# Allegro board LAY-38820_A.brd (continued)
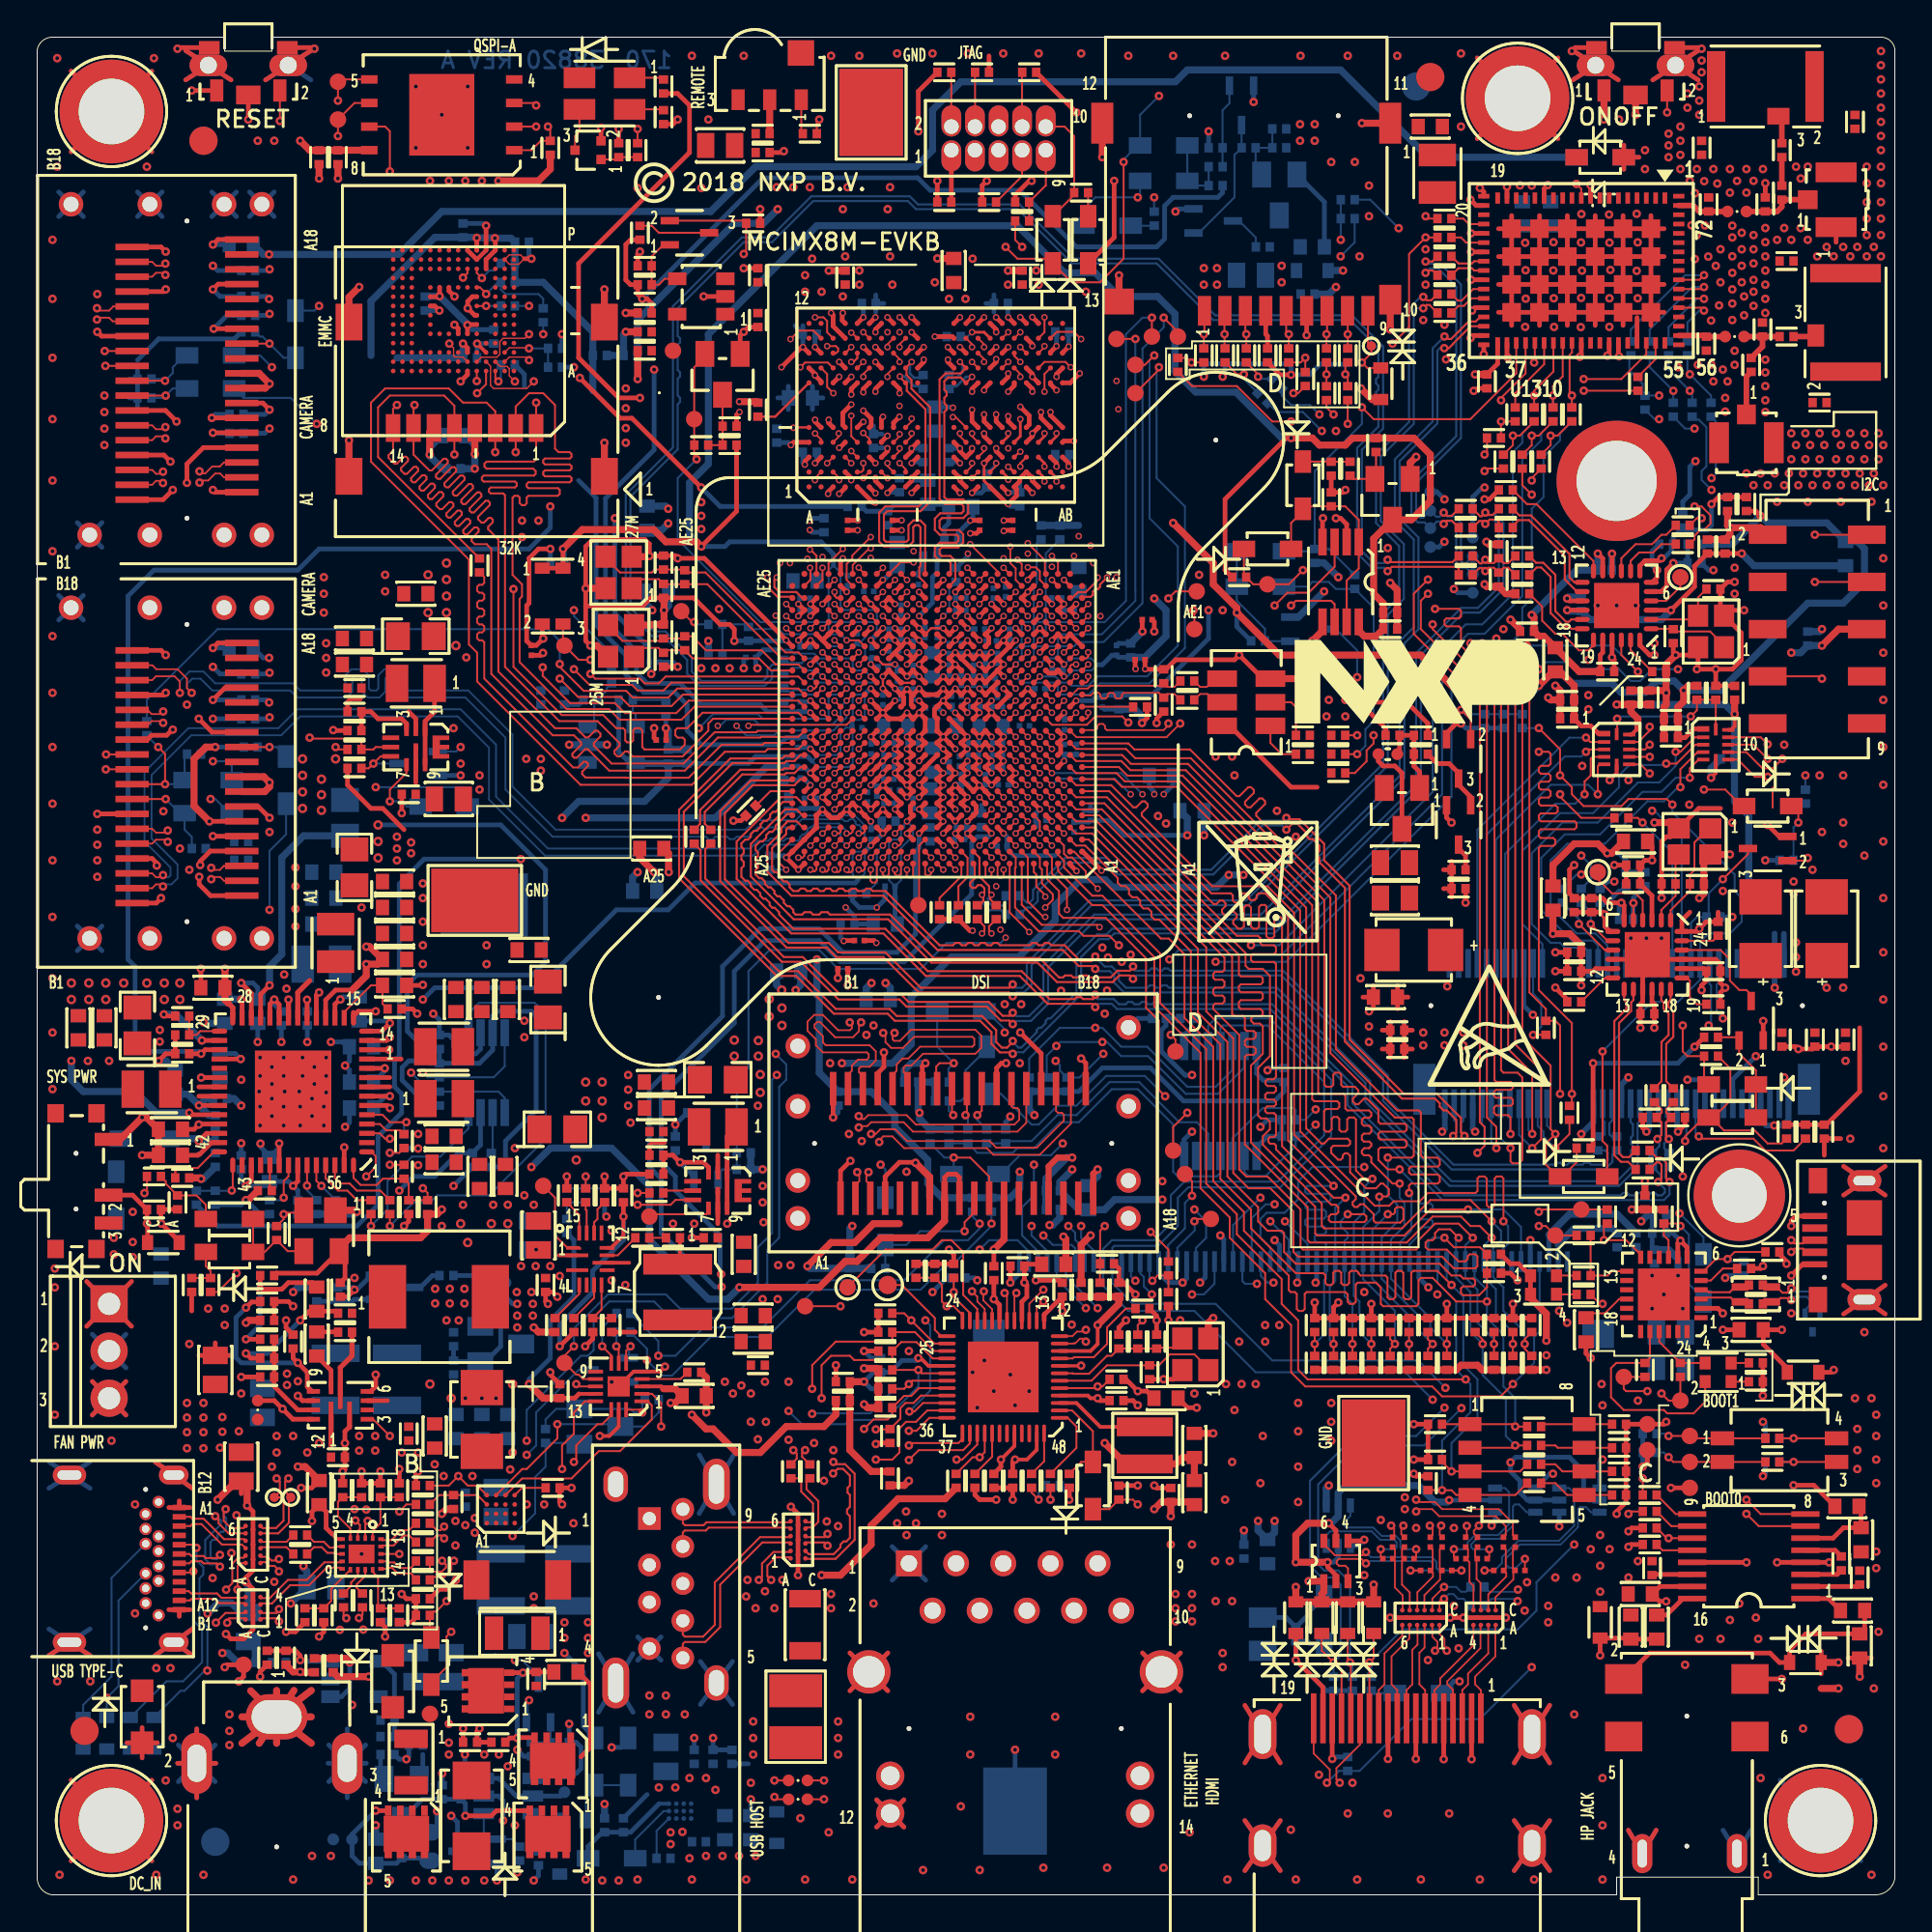
[diagram p0: board, top side]
## Nets (continued)
GND_CHASSIS: C1216.2 J1201.15 J1201.16(SH2) R1208.2
VBUS_CP210X: C1701.1 C1704.1 L1702.2 U1701.7 U1701.8
VBUS_USB_BDG: J1701.1(VBUS) L1702.1 TVS1701.2(A2)
VCC: J401.1 R405.2
VCC_3V6: C711.1 R706.1 U701.9
VCC_5V: C774.2 R732.1 U706.11
VDD_12V: J1501.A8 J1501.A9 J1502.A8 J1502.A9 J1503.A8 J1503.A9
VDD_ARM_0V9: C14.1 C23.1 C24.1 C27.1 C28.1 C118.1 C119.1 C120.1 C121.1 C122.1 C165.1 C166.1 SH709.2 U101.G14 U101.G15 U101.G16 U101.H14 U101.H15 U101.H16 U101.J15 U101.J16 U101.K15 U101.K16 U101.L15 U101.L16 U101.M15 U101.M16
VDD_CBUCK_1P5: C1309.1 L1301.1 U1301.19
VDD_DRAM_0V9: C17.1 C33.1 C34.1 C108.1 C110.1 C114.1 C115.1 C117.1 C129.1 C130.1 C131.1 C132.1 C133.1 C134.1 C135.1 C136.1 C137.1 C138.1 C171.1 C172.1 SH704.2 U101.U10 U101.U11 U101.U12 U101.U13 U101.U14 U101.V9 U101.V10 U101.V11 U101.V12 U101.V13 U101.V14 U101.V15 U101.Y6 U101.Y8 U101.Y10 U101.Y16 U101.Y18 U101.Y20
VDD_GPU_0V9: C16.1 C21.1 C22.1 C31.1 C32.1 C126.1 C127.1 C128.1 C169.1 C170.1 SH701.2 U101.J9 U101.J10 U101.K9 U101.K10 U101.L9 U101.L10 U101.M9 U101.M10
VDD_PHY_0V9: C5.1 C7.1 C10.1 C12.1 C179.1 C180.1 C182.1 C183.1 C185.1 C186.1 C188.1 C189.1 C190.1 C749.1 L101.2 U101.C11 U101.C12 U101.D11 U101.D12 U101.E11 U101.E12 U101.E17 U101.E18 U101.F17 U101.F18 U101.F19 U101.F22 U101.F23 U101.G22 U101.G23 U101.U3 U101.U4 U101.V3 U702.18
VDD_PHY_1V8: C9.1 C11.1 C184.1 C187.1 C751.1 Q1001.2 Q1001.5 Q1002.2 Q1002.5 Q1003.2 Q1003.5 Q1004.2 Q1004.5 U101.C18 U101.D17 U101.D18 U101.P2 U702.26
VDD_PHY_3V3: C4.1 C6.1 C8.1 C178.1 C181.1 C757.1 U101.F11 U101.F12 U101.G11 U101.G12 U101.H23 U101.J23 U702.39
VDD_SNVS_0V9: C102.1 C717.1 C718.1 R757.2 R758.2 U101.R18 U703.5(OUT)
VDD_SOC_0V9: C13.1 C104.1 C105.1 C106.1 C107.1 C109.1 C111.1 C112.1 C113.1 C116.1 C144.1 C145.1 C173.1 L104.1 SH708.2 U101.K12 U101.L12 U101.L13 U101.M12 U101.M13 U101.N13 U101.P12 U101.P13 U101.P15 U101.P16 U101.R8 U101.R9 U101.R10 U101.R11 U101.R12 U101.R13 U101.R14 U101.R15 U101.R16 U101.T8 U101.T17
VDD_VPU_0V9: C15.1 C29.1 C123.1 C124.1 C125.1 C167.1 C168.1 SH702.2 U101.N8 U101.N9 U101.N10 U101.P9 U101.P10
VDDA_1V8: C147.1 C148.1 C149.1 C150.1 C151.1 C152.1 C174.1 C754.1 R715.1 U101.AA11 U101.K14 U101.N11 U101.R17 U101.T15 U101.T16 U101.U17 U101.U23 U101.W17 U101.W23 U101.W24 U702.28
ANT0: L1302.1 R1348.1 U1301.57
ANT0_OUT: L1303.1 R1302.1 R1306.1 R1348.2
ANT1: L1304.1 R1349.1 U1301.71
ANT1_OUT: J1302.1 L1305.1 R1304.1 R1349.2
AUD_NMUTE: R1108.1 U101.N7 U1101.11
BOOT_MODE0: R818.1 R846.1 SW802.2 TP1710.1(TP) U101.W6 U802.3
BOOT_MODE1: R817.1 R845.2 SW802.1 TP1711.1(TP) U101.V6 U802.6
BT_DEV_WAKE: R1441.2 U101.G21 U1301.53
BT_HOST_WAKE: R1321.1 U101.M20
BT_REG_ON: Q1405.2 R309.2 U1301.10
CC1: J901.A5 TVS902.2(A2) U907.13
CC2: J901.B5 TVS903.2(A2) U907.14
CLK1_N: R413.1 U101.T23
CLK1_P: R413.2 U101.R23
CLK2_N: C1314.1 R414.1 U101.U22
CLK2_P: C1313.1 R414.2 U101.T22
CLKO2: D1502.C D1505.C U101.J6
CLKO_25MHZ: R1225.1 U101.K7
CSI2_I2C_SCL: J1503.B11 R1527.2 U1502.4
CSI2_I2C_SDA: J1503.B10 R1526.2 U1502.5
CSI_NRST: D1506.C D1507.C U101.N5
CSI_P1_CKN: J1502.A2 U101.A22
CSI_P1_CKP: J1502.A3 U101.B22
CSI_P1_DN0: J1502.B2 U101.A23
CSI_P1_DN1: J1502.B5 U101.C22
CSI_P1_DN2: J1502.B13 U101.B24
CSI_P1_DN3: J1502.B16(TX3_P) U101.C21
CSI_P1_DP0: J1502.B3 U101.B23
CSI_P1_DP1: J1502.B6 U101.D22
CSI_P1_DP2: J1502.B14 U101.C23
CSI_P1_DP3: J1502.B17 U101.D21
CSI_P1_PWDN: D1503.C U101.P4
CSI_P2_CKN: J1503.A2 U101.A19
CSI_P2_CKP: J1503.A3 U101.B19
CSI_P2_DN0: J1503.B2 U101.C20
CSI_P2_DN1: J1503.B5 U101.A20
CSI_P2_DN2: J1503.B13 U101.A21
CSI_P2_DN3: J1503.B16(TX3_P) U101.C19
CSI_P2_DP0: J1503.B3 U101.D20
CSI_P2_DP1: J1503.B6 U101.B20
CSI_P2_DP2: J1503.B14 U101.B21
CSI_P2_DP3: J1503.B17 U101.D19
CSI_P2_PWDN: D1504.C U101.P7
DC_IN: D902.A D909.C F901.1 J902.1 TP1712.1(TP)
DCDC_3V3: C706.1 C707.1 C708.1 C709.1 C710.1 C712.2 C713.1 C715.1 C716.1 C719.1 C729.2 C736.2 C737.2 C740.2 C743.2 C746.2 C748.2 C750.2 C755.2 C758.1 C762.2 C765.2 C766.1 C775.1 C776.1 C779.1 C799.1 L701.2 Q701.2(SOURCE) R701.1 R702.1 R712.1 R755.1 R756.1 R760.1 R1622.1 U701.5(VOUT) U702.7 U702.10 U702.12 U702.17 U702.20 U702.23 U702.24 U702.27 U702.34 U702.37 U702.45 U702.50 U703.1 U705.8 U705.11(VIN2) U707.8 U707.11(VIN2)
DCDC_5V: C790.1 C791.1 C792.1 C909.1 C910.1 C916.2 C927.1 C928.1 C1001.1 C1002.1 C1511.1 C1514.1 C1517.1 C1520.1 C1524.1 C1525.1 D705.A D1301.A F1001.1 J1501.A16 J1501.A17 J1502.A16 J1502.A17 J1503.A16 J1503.A17 L709.2 R748.1 R749.2 R843.1 R902.1 R921.1 R932.1 R934.1 U905.B1 U905.B2 U905.C1(VINT3) U906.A1 U906.A2(VIN2) U907.12 U909.5
DCDC_5V_CN: D1001.C J1001.18 R1004.1 R1009.1 R1011.2 TVS1002.2(A2)
DEBUG_ACCESS: U907.9
DRAM_CA0_A: U101.AD17 U201.H2
DRAM_CA0_B: U101.AE8 U201.R2
DRAM_CA1_A: U101.AE16 U201.J2
DRAM_CA1_B: U101.AE9 U201.P2
DRAM_CA2_A: U101.AD20 U201.H9
DRAM_CA2_B: U101.AC7 U201.R9
DRAM_CA3_A: U101.AE20 U201.H10
DRAM_CA3_B: U101.AE7 U201.R10
DRAM_CA4_A: U101.AD19 U201.H11
DRAM_CA4_B: U101.AE6 U201.R11
DRAM_CA5_A: U101.AE19 U201.J11
DRAM_CA5_B: U101.AD6 U201.P11
DRAM_CK_C_A: R201.2 U101.AE14 U201.J9
DRAM_CK_C_B: R202.2 U101.AE12 U201.P9
DRAM_CK_T_A: R201.1 U101.AD14 U201.J8
DRAM_CK_T_B: R202.1 U101.AD12 U201.P8
DRAM_CKE0_A: U101.AC16 U201.J4
DRAM_CKE0_B: U101.AD10 U201.P4
DRAM_CKE1_A: U101.AE17 U201.J5
DRAM_CKE1_B: U101.AE10 U201.P5
DRAM_DATA0_A: U101.AE23 U201.B2
DRAM_DATA0_B: U101.AE3 U201.AA2
DRAM_DATA1_A: U101.AD24 U201.C2
DRAM_DATA1_B: U101.AD2 U201.Y2
DRAM_DATA2_A: U101.AE22 U201.E2
DRAM_DATA2_B: U101.AE4 U201.V2
DRAM_DATA3_A: U101.AD22 U201.F2
DRAM_DATA3_B: U101.AD4 U201.U2
DRAM_DATA4_A: U101.AA24 U201.F4
DRAM_DATA4_B: U101.AA2 U201.U4
DRAM_DATA5_A: U101.Y25 U201.E4
DRAM_DATA5_B: U101.Y1 U201.V4
DRAM_DATA6_A: U101.AA25 U201.C4
DRAM_DATA6_B: U101.AA1 U201.Y4
DRAM_DATA7_A: U101.AB25 U201.B4
DRAM_DATA7_B: U101.AB1 U201.AA4
DRAM_DATA8_A: U101.AB22 U201.B11
DRAM_DATA8_B: U101.AB4 U201.AA11
DRAM_DATA9_A: U101.AA22 U201.C11
DRAM_DATA9_B: U101.AA4 U201.Y11
DRAM_DATA10_A: U101.AA23 U201.E11
DRAM_DATA10_B: U101.AA3 U201.V11
DRAM_DATA11_A: U101.AA20 U201.F11
DRAM_DATA11_B: U101.AA6 U201.U11
DRAM_DATA12_A: U101.AA18 U201.F9
DRAM_DATA12_B: U101.AA8 U201.U9
DRAM_DATA13_A: U101.AB19 U201.E9
DRAM_DATA13_B: U101.AB7 U201.V9
DRAM_DATA14_A: U101.AA19 U201.C9
DRAM_DATA14_B: U101.AA7 U201.Y9
DRAM_DATA15_A: U101.AA17 U201.B9
DRAM_DATA15_B: U101.AA9 U201.AA9
DRAM_DMI0_A: U101.AD23 U201.C3
DRAM_DMI0_B: U101.AD3 U201.Y3
DRAM_DMI1_A: U101.AB20 U201.C10
DRAM_DMI1_B: U101.AB6 U201.Y10
DRAM_NCS0_A: U101.AE18 U201.H4
DRAM_NCS0_B: U101.AC9 U201.R4
DRAM_NCS1_A: U101.AC18 U201.H3
DRAM_NCS1_B: U101.AD8 U201.R3
DRAM_NRESET: R208.2 U101.AB13 U201.T11
DRAM_SDQS0_C_A: U101.AC25 U201.E3
DRAM_SDQS0_C_B: U101.AC1 U201.V3
DRAM_SDQS0_T_A: U101.AC24 U201.D3
DRAM_SDQS0_T_B: U101.AC2 U201.W3
DRAM_SDQS1_C_A: U101.AC21 U201.E10
DRAM_SDQS1_C_B: U101.AC5 U201.V10
DRAM_SDQS1_T_A: U101.AB21 U201.D10
DRAM_SDQS1_T_B: U101.AB5 U201.W10
DRAM_VREF: C216.1 C218.2 C219.1 R209.2 R210.1 R215.1 U101.AA14
DRAM_ZQ0: R203.2 U201.A5
DRAM_ZQ1: R204.2 U201.A8
DSI_BL_PWM: D1508.C U101.T7
DSI_CKN: J1501.A2 U101.C16
DSI_CKP: J1501.A3 U101.D16
DSI_DN0: J1501.B2 U101.A17
DSI_DN1: J1501.B5 U101.A16
DSI_DN2: J1501.B13 U101.A18
DSI_DN3: J1501.B16(TX3_P) U101.A15
DSI_DP0: J1501.B3 U101.B17
DSI_DP1: J1501.B6 U101.B16
DSI_DP2: J1501.B14 U101.B18
DSI_DP3: J1501.B17 U101.B15
DSI_EN: D1501.C U101.D5
DSI_TS_NINT: D1509.C U101.A4
DSI_TS_NRST: D1510.A J1501.A10 R1531.2
DSI_TS_SCL: R1501.2 R1525.2 U1501.5
DSI_TS_SDA: R1502.2 R1524.2 U1501.4
EMMC_CLK: J601.P5 R616.2 U601.M6
EMMC_DQS: R617.1 U601.H5
EMMC_NRST: R603.2 R621.2 U601.K5
EMMC_VDDIM: C610.1 C611.1 U601.C2
EN_SNK: R914.1 U907.2
EN_SRC: Q906.2(SOURCE) R930.1 R931.2 U907.16
ENET_AVDD33: C1201.1 C1204.1 L1201.2 U1201.16
ENET_AVDDL_1V1: C1211.1 C1212.1 C1213.1 C1214.1 L1203.1 U1201.8 U1201.13 U1201.19 U1201.44
ENET_DVDDL_1V1: C1208.1 C1209.1 L1202.2 L1203.2 R1207.1 U1201.47
ENET_LX: L1202.1 U1201.3
ENET_MDC: R1209.1 U101.N20
ENET_MDIO: R1204.2 R1210.1 U101.N19
ENET_NINT: R1205.2 U101.L6 U1201.5
ENET_NRST: D1201.C R1223.2 U101.M6
ENET_RD0: R1212.1 R1213.1 U101.U19 U1201.31
ENET_RD1: R1214.1 U101.U21 U1201.30
ENET_RD2: R1218.1 U101.U20 U1201.28
ENET_RD3: R1220.1 U101.V19 U1201.27
ENET_RX_CTL: R1217.1 U101.T21 U1201.32
ENET_RXC: R1219.1 U101.T20 U1201.33
ENET_SD: R1207.2 U1201.41
ENET_TD0: U101.R20 U1201.36
ENET_TD1: U101.R21 U1201.37
ENET_TD2: U101.R19 U1201.38
ENET_TD3: U101.P20 U1201.39
ENET_TX_CTL: U101.P19 U1201.34
ENET_TXC: U101.T19 U1201.35
ENET_VDDH_2V5: C1205.1 R1204.1 R1215.2 R1222.2 R1224.1 U1201.10
ENET_VDDIO_2V5: C1202.1 C1203.1 R1201.1 R1212.2 R1222.1 R1227.1 U1201.29
ENET_WOL: R1206.2 U101.M7 U1201.40
ENET_XTLI: C1221.1 R1225.2 R1226.1 U1201.7 Y1201.3
ENET_XTLO: C1220.1 U1201.6(XTLO) Y1201.1
ETH_TRX0_N: J1201.10 U1201.12
ETH_TRX0_P: J1201.9 U1201.11
ETH_TRX1_N: J1201.8 U1201.15
ETH_TRX1_P: J1201.7 U1201.14
ETH_TRX2_N: J1201.6 U1201.18
ETH_TRX2_P: J1201.5 U1201.17
ETH_TRX3_N: J1201.4 U1201.21
ETH_TRX3_P: J1201.3 U1201.20
FRS_EN: U906.C4 U907.1
HDMI_AUXN: C1012.1 U101.V2
HDMI_AUXN_C: C1012.2 U1001.C2
HDMI_AUXP: C1011.1 U101.V1
HDMI_AUXP_C: C1011.2 U1001.C1
HDMI_CEC: J1001.13 R1007.2 TVS1005.2(A2) U101.W3
HDMI_CLKN: C1006.1 U101.M2
HDMI_CLKN_C: C1006.2 R1014.1 U1001.C6
HDMI_CLKN_CN: J1001.12 U1001.A6
HDMI_CLKP: C1005.1 U101.M1
HDMI_CLKP_C: C1005.2 R1015.1 U1001.C5
HDMI_CLKP_CN: J1001.10 U1001.A5
HDMI_DDC_SCL: J1001.15 R1009.2 TVS1004.2(A2) U101.R3
HDMI_DDC_SDA: J1001.16 R1004.2 TVS1003.2(A2) U101.P3
HDMI_HPD: J1001.19 R1002.1 U101.W2 U1001.A2
HDMI_REFCLKN: R511.2 R512.1 U101.R1
HDMI_REFCLKP: R510.2 R513.1 U101.R2
HDMI_TXN0: C1004.1 U101.T2
HDMI_TXN0_C: C1004.2 R1012.1 U1001.C4
HDMI_TXN0_CN: J1001.9 U1001.A4
HDMI_TXN1: C1010.1 U101.U1
HDMI_TXN1_C: C1010.2 R1018.1 U1002.C4
HDMI_TXN1_CN: J1001.6 U1002.A4
HDMI_TXN2: C1008.1 U101.N1
HDMI_TXN2_C: C1008.2 R1016.1 U1002.C2
HDMI_TXN2_CN: J1001.3 U1002.A2
HDMI_TXP0: C1003.1 U101.T1
HDMI_TXP0_C: C1003.2 R1013.1 U1001.C3
HDMI_TXP0_CN: J1001.7 U1001.A3
HDMI_TXP1: C1009.1 U101.U2
HDMI_TXP1_C: C1009.2 R1019.1 U1002.C3
HDMI_TXP1_CN: J1001.4 U1002.A3
HDMI_TXP2: C1007.1 U101.N2
HDMI_TXP2_C: C1007.2 R1017.1 U1002.C1
HDMI_TXP2_CN: J1001.1 U1002.A1
HDMI_UTILITY/HEAC+_CN: J1001.14(UTILITY) U1001.A1
I2C1_SCL: R301.2 R721.2 R940.2 U101.E7 U1502.1
I2C1_SDA: R302.2 R719.2 R941.2 U101.E8 U1502.8
I2C2_SCL: J801.1 R303.2 R1326.1 R1452.1 U101.G7 U1501.12
I2C2_SDA: J801.3 R304.2 R1327.1 R1453.1 U101.F7 U1501.13
I2C3_SCL: J1801.50 R305.2 U101.G8 U1501.10
I2C3_SDA: J1801.51 R306.2 U101.E9 U1501.11
ILIM: R924.1 R925.1 U906.A3
ILIM_5V_VBUS: Q905.2 U907.6
IPOD_NRST: J801.8 R310.2 R844.1
IR_CAP: R1615.1 U101.L7
JTAG_MOD: R410.1 U101.U7
JTAG_NTRST: R418.2 TP402.1(TP) U101.U6
JTAG_TCK: J401.4 R408.1 TP405.1(TP) U101.T5
JTAG_TDI: J401.8 R403.2 TP403.1(TP) U101.W5
JTAG_TDO: J401.6 TP406.1(TP) U101.U5
JTAG_TMS: J401.2 R402.2 TP404.1(TP) U101.V5
LED_ACT: C1217.1 R1202.1 R1215.1 R1216.1 U1201.23
LED_LINK10_100: C1219.1 J1201.14 U1201.26
LED_LINK1000: C1218.1 R1203.1 R1221.1 U1201.24
LINEVDD: C1101.1 L1104.1 U1101.6
LINK / ACTIVE: J1201.13 R1203.2
LINKACT: J1201.11 R1202.2
M2_I2C_SCL: J1401.60 J1502.B11 R1523.2 U1501.3
M2_I2C_SDA: J1401.58 J1502.B10 R1522.2 U1501.2
M2_PCM_CLK: J1401.8 U1402.2
M2_PCM_IN: J1401.12 U1402.5
M2_PCM_OUT: J1401.14 U1402.4
M2_PCM_SYNC: J1401.10 U1402.3
M2_SD_CLK: J1401.9 R1429.2
M2_SD_CMD: J1401.11 R1430.2
M2_SD_DAT0: J1401.13 R1431.2
M2_SD_DAT1: J1401.15 R1432.2
M2_SD_DAT2: J1401.17 R1433.2
M2_SD_DAT3: J1401.19 R1434.2
M2_SD_NRST: D1404.A J1401.23 R1436.2 R1464.2
M2_SD_WAKE: J1401.21 R1435.2
M2_UART_CTS: J1401.36 U1403.4
M2_UART_RTS: J1401.34 U1403.5
M2_UART_RXD: J1401.22 U1403.3
M2_UART_TXD: J1401.32 U1403.2
M2_USB_DN: J1401.5 R1417.2
M2_USB_DP: J1401.3 R1418.2
MDC: R1209.2 U1201.1
MDIO: R1210.2 U1201.48
NAND_CLE: R309.1 R310.1 U101.H21
NAND_DATA0: TP602.1(TP) U101.G20 U603.5
NAND_DATA1: U101.J20 U603.2
NAND_DATA2: U101.H22 U603.3(W\/DQ2)
NAND_DATA3: U101.J21 U603.7
NAND_DATA4: J1801.56 U101.L20
NAND_DATA5: J1801.57 U101.J22
NAND_DATA6: J1801.58 U101.L19
NAND_DATA7: J1801.59 U101.M19
NAND_NCE3: J1801.52 U101.H20
NAND_NREADY: J1801.55 U101.K20
NAND_NWE: J1801.53 U101.K22
NAND_NWP: J1801.54 U101.K21
NRST: D701.A D702.A R716.1 U704.3
NRST_99512133: D401.C J401.10(B5) R404.2
NSUSPEND0: U1701.1
NSUSPEND1: U1701.17
NVCC_1V8: C192.1 C201.1 C202.1 C203.1 C204.1 C205.1 C604.1 C605.1 C606.1 C607.1 C901.1 C902.1 C1431.1 C1432.1 C1435.1 C1436.1 C1509.1 C1512.1 C1515.1 C1518.1 C1521.1 C1522.1 C1527.1 C1529.1 J1501.A5 J1501.A6 J1502.A5 J1502.A6 J1503.A5 J1503.A6 L1306.1 L1307.2 L1401.1 L1402.2 R601.1 R602.1 R603.1 R901.1 R905.1 R906.1 R907.1 R908.1 R1342.1 R1344.1 R1347.1 R1419.1 R1450.1 R1454.1 R1456.1 R1464.1 R1505.1 R1506.1 R1507.1 R1508.1 R1509.1 R1510.1 R1519.1 R1520.1 R1521.1 R1522.1 R1523.1 R1524.1 R1525.1 R1526.1 R1527.1 R1528.1 R1529.1 R1531.1 SH706.2 U101.L23 U101.M23 U201.F1 U201.F12 U201.G4 U201.G9 U201.T4 U201.T9 U201.U1 U201.U12 U601.C6 U601.M4 U601.N4 U601.P3 U601.P5 U901.5(VDD1V8) U1402.1 U1403.1 U1501.1 U1502.3
NVCC_3V3: C1.1 C2.1 C193.1 C194.1 C195.1 C196.1 C197.1 C198.1 C199.1 C501.1 C601.1 C602.1 C603.1 C613.1 C614.1 C617.1 C618.1 C781.1 C804.1 C915.1 C1104.1 C1206.1 C1207.1 C1310.1 C1441.1 C1510.1 C1513.1 C1516.1 C1519.1 C1523.1 C1526.1 C1528.1 C1530.1 C1601.1 C1602.1 C1607.1 C1608.1 C1609.1 C1703.1 D402.A D1003.A D1703.1 D1703.3 J601.P4 J801.5 J1501.A13 J1501.A14 J1502.A13 J1502.A14 J1503.A13 J1503.A14 L1104.2 L1201.1 Q701.3 Q1402.2(SOURCE) Q1602.2(SOURCE) R101.1 R301.1 R302.1 R303.1 R304.1 R305.1 R306.1 R307.1 R308.1 R402.1 R403.1 R405.1 R508.1 R509.1 R620.1 R731.1 R801.2 R802.2 R803.2 R804.2 R805.2 R806.2 R807.2 R808.2 R809.2 R810.2 R811.2 R812.2 R813.2 R814.2 R815.2 R816.2 R823.1 R824.2 R917.1 R920.1 R1109.2 R1205.1 R1206.1 R1223.1 R1322.1 R1323.1 R1343.1 R1346.1 R1401.1 R1402.1 R1457.1 R1460.1 R1463.1 R1606.1 R1607.1 R1609.1 R1610.1 R1702.1 R1703.1 R1704.1 R1716.1 R1803.2 TP1701.1(TP) U101.D8 U101.E3 U101.F5 U101.H7 U101.J7 U101.K3 U101.L3 U101.L18 U101.M3 U101.M18 U101.R5 U101.R6 U101.W4 U601.E6 U601.F5 U601.J10 U601.K9 U603.8 U702.55 U802.5 U907.3(VDD) U1101.15 U1201.4 U1301.37(VIO) U1501.14(VCCB) U1502.7(VCCB) U1601.1 U1601.3 Y501.6(VCC)
NVCC_DRAM_1V1: C18.1 C35.1 C36.1 C103.1 C139.1 C140.1 C153.1 C154.1 C155.1 C156.1 C157.1 C158.1 C159.1 C160.1 C161.1 C162.1 C163.1 C164.1 C175.1 C176.1 C177.1 C206.1 C207.1 C208.1 C209.1 C210.1 C211.1 C212.1 C213.1 C214.1 C215.1 C217.1 C218.1 C767.1 R203.1 R204.1 R206.1 R207.1 R209.1 SH703.2 U101.AA10 U101.AA15 U101.AB3 U101.AB8 U101.AB17 U101.AB23 U101.AC3 U101.AC6 U101.AC8 U101.AC14 U101.AC17 U101.AC20 U101.AC23 U101.AD5 U101.AD18 U101.AD21 U101.Y12 U101.Y14 U201.A4 U201.A9 U201.AA3 U201.AA5 U201.AA8 U201.AA10 U201.AB4 U201.AB9 U201.B3 U201.B5 U201.B8 U201.B10 U201.D1 U201.D5 U201.D8 U201.D12 U201.F3 U201.F5 U201.F8 U201.F10 U201.H1 U201.H5 U201.H8 U201.H12 U201.K1 U201.K3 U201.K10 U201.K12 U201.N1 U201.N3 U201.N10 U201.N12 U201.R1 U201.R5 U201.R8 U201.R12 U201.U3 U201.U5 U201.U8 U201.U10 U201.W1 U201.W5 U201.W8 U201.W12 U702.30
NVCC_ENET_2V5: C3.1 R1201.2 U101.T18
NVCC_SD2: C191.1 C1603.1 C1604.1 R101.2 R1601.1 R1602.1 R1612.1 TP1601.1(TP) U101.N23 U1601.5(OUT)
NVCC_SNVS_3V3: C101.1 C406.1 C720.1 C801.1 C802.1 R409.1 R415.1 R419.1 R723.1 R755.2 R847.1 U101.W18 U704.4(VCC) U801.3(VCC) U802.8(VCC) Y403.1(VIO) Y403.4
NWDOG: C726.1 U101.R4
ODT_CA_A: R206.2 U201.G2
ODT_CA_B: R207.2 U201.T2
ONOFF: D801.A R419.2 SW1701.2 TP401.1(TP) U101.W21
PCIE1_NCLKREQ: D1304.C R307.2 R1357.1 U101.F8
PCIE1_REF_CLKN: R1332.2 R1339.1 U101.K24
PCIE1_REF_CLKP: R1331.2 R1338.1 U101.K25
PCIE1_REQ: Q1301.3 U1302.22
PCIE1_RXN: C1312.1 U101.H24
PCIE1_RXP: C1311.1 U101.H25
PCIE1_TXN: C1305.1 U101.J24
PCIE1_TXP: C1304.1 U101.J25
PCIE2_NCLKREQ: D1402.C R308.2 R1465.1 U101.F9
PCIE2_REF_CLKN: R1422.2 R1426.1 U101.F24
PCIE2_REF_CLKN_CN: J1401.49 R1424.2 R1426.2 R1428.1
PCIE2_REF_CLKP: R1421.2 R1425.1 U101.F25
PCIE2_REF_CLKP_CN: J1401.47 R1423.2 R1425.2 R1427.1
PCIE2_RXN: J1401.43 U101.D24
PCIE2_RXP: J1401.41 U101.D25
PCIE2_TXN: C1420.1 U101.E24
PCIE2_TXP: C1421.1 U101.E25
PCIE_NCLKREQ: D1401.C J1401.53 R1415.2 R1465.2
PCIE_NDIS: D1404.C J1401.56 R1459.1 U101.C5
PCIE_NPME: U101.A5 U1301.40
PCIE_NRST: J1401.52 U101.B5
PCIE_NWAKE: J1401.55 R1416.2 U101.E5
PCIE_REQ: Q1401.3 U1401.22
PG_SEQ0: R762.1 U701.3
PHY_CLKOUT: TP1202.1(PIN1) U1201.25
PMIC_NINT: U101.N6 U702.1
PMIC_ON: C777.1 D703.A R714.1 R718.1 R723.2 U702.56
PMIC_ON_REQ: R718.2 R754.1 U101.V20
PMIC_STBY_REQ: Q703.2 R724.2 U101.V21
PMIC_VCORE: C735.1 U702.49
PMIC_VCOREDIG: C728.1 U702.51
PMIC_VCOREREF: C730.1 U702.52
PMIC_VDDOTP: R720.2 U702.47
POR_B: D401.A D1609.C D1704.C R401.1 TP407.1(TP) U702.3
PPS/GPIO: TP1201.1(PIN1) U1201.22
PWM_LED: C780.1 Q704.2 R763.1 R1614.1 U101.K6
PWR_MODE: Q703.3 R701.2 U705.6 U707.6
PWR_PATH_EN: R913.2 R942.2 R943.1
QSPIA_NSS0: R620.2 U101.H19 U603.1
QSPIA_SCLK: TP603.1(TP) U101.G19 U603.6
REF_CLK_32K: R1305.1 R1438.2 U101.T6
RTC_CLK_32K768: TP408.1(TP) U101.V22 Y403.3
RX0_TOGGLE: U1701.23
RX1_TOGGLE: U1701.14
SAI1_MCLK: J1801.4 U101.A3
SAI1_RXC: J1801.18 U101.K1
SAI1_RXD0: J1801.20 R816.1 R825.2 U101.K2
SAI1_RXD1: J1801.21 R815.1 R826.2 U101.L2
SAI1_RXD2: J1801.22 R814.1 R827.2 U101.H2
SAI1_RXD3: J1801.23 R813.1 R828.2 U101.J2
SAI1_RXD4: J1801.24 R812.1 R829.2 U101.J1
SAI1_RXD5: J1801.25 R811.1 R830.2 U101.F1
SAI1_RXD6: J1801.26 R810.1 R831.2 U101.G2
SAI1_RXD7: J1801.27 R809.1 R832.2 U101.G1
SAI1_RXFS: J1801.19 U101.L1
SAI1_TXC: J1801.6 U101.E1
SAI1_TXD0: J1801.9 R808.1 R833.2 U101.F2
SAI1_TXD1: J1801.10 R807.1 R834.2 U101.E2
SAI1_TXD2: J1801.11 R822.1 R835.2 SW801.1 U101.B2
SAI1_TXD3: J1801.12 R805.1 R836.2 U101.D1
SAI1_TXD4: J1801.13 R819.1 R837.2 SW801.2 U101.D2
SAI1_TXD5: J1801.14 R821.1 R838.2 SW801.3 U101.C2
SAI1_TXD6: J1801.15 R820.1 R839.2 SW801.4 U101.B3
SAI1_TXD7: J1801.16 R801.1 R840.2 U101.C1
SAI1_TXFS: J1801.8 U101.H1
SAI2_MCLK: R1103.1 U101.H5
SAI2_RXC: R1336.1 U101.H3
SAI2_RXD: R1337.1 U101.H6
SAI2_RXFS: R1335.1 U101.J4
SAI2_TXC: R1104.1 U101.J5
SAI2_TXD: U101.G5 U1101.7
SAI2_TXFS: U101.H4 U1101.8
SAI3_MCLK: J1801.39 TP1801.1(TP) U101.D3
SAI3_RXC: J1801.41 TP1802.1(TP) U101.F4
SAI3_RXD: J1801.44 R1318.1 R1445.2 TP804.1(TP) U101.F3
SAI3_RXFS: J1801.43 TP803.1(TP) U101.G4
SAI3_TXC: R1319.1 R1442.2 U101.C4
SAI3_TXD: R1316.1 R1444.2 U101.C3
SAI3_TXFS: R1317.1 R1443.2 U101.G3
SAI5_MCLK: J1801.29 U101.K4
SAI5_RXC: J1801.31 U101.L5
SAI5_RXD0: J1801.34 U101.M5
SAI5_RXD1: J1801.35 U101.L4
SAI5_RXD2: J1801.36 U101.M4
SAI5_RXD3: J1801.37 U101.K5
SAI5_RXFS: J1801.33 U101.N4
SBU1: J901.A8 TVS904.2(A2)
SBU2: J901.B8 TVS905.2(A2)
SD1_CLK: R616.1 U101.L25
SD1_CMD: J601.P3 R602.2 U101.L24 U601.M5
SD1_DATA0: J601.P7 R601.2 U101.M25 U601.A3
SD1_DATA1: J601.P8 U101.M24 U601.A4
SD1_DATA2: J601.P1 U101.N25 U601.A5
SD1_DATA3: J601.P2 U101.P25 U601.B2
SD1_DATA4: U101.N24 U601.B3
SD1_DATA5: U101.P24 U601.B4
SD1_DATA6: U101.R25 U601.B5
SD1_DATA7: U101.T25 U601.B6
SD1_NRST: R621.1 R1530.2 U101.R24
SD1_STROBE: R617.2 U101.T24
SD2_CLK: R1429.1 R1603.1 U101.L22
SD2_CMD: R1430.1 R1617.1 U101.M22
SD2_DATA0: R1431.1 R1618.1 U101.N22
SD2_DATA1: R1432.1 R1619.1 U101.N21
SD2_DATA2: R1433.1 R1620.1 U101.P22
SD2_DATA3: R1434.1 R1621.1 U101.P21
SD2_NCD: J1601.9 TP1602.1(PIN1) TVS1601.2(A2) U101.L21
SD2_NRST: D1405.C D1608.C U101.R22
SD2_VSELECT: Q1601.2 R1605.1 U101.P5
SDIO_WAKE: D1510.C R1435.1 U101.M21
SPDIF_EXT_CLK: R1802.2 U101.E6
SPDIF_RX: J1801.48 U101.G6
SPDIF_TX: J1801.47 U101.F6
SR_VLX: L1301.2 U1301.22
SSRXN1: J901.B10 U903.A2
SSRXN2: J901.A10 U903.A4
SSRXP1: J901.B11 U903.A1
SSRXP2: J901.A11 U903.A3
SSTXN1: J901.A3 U902.A3
SSTXN2: J901.B3 U902.A1
SSTXP1: J901.A2 U902.A4
SSTXP2: J901.B2 U902.A2
SYS_NRST: R713.1 SW1702.2
TCPC_NINT: TP901.1(TP) U101.F21 U907.10
TEST_MODE: R417.1 U101.V7
TX0_TOGGLE: U1701.24
TX1_TOGGLE: U1701.15
UART1_RXD: R1714.2 TP1703.1(TP) U101.C7
UART1_RXD_MCU: R1707.1 R1714.1 U1701.13
UART1_TXD: R1715.2 TP1702.1(TP) U101.A7
UART1_TXD_MCU: R1708.1 R1715.1 U1701.12
UART2_RXD: R1712.2 TP1706.1(TP) U101.B6
UART2_RXD_CPU: D1702.4(CATHODE2) R1712.1 U1701.21
UART2_TXD: R1713.2 TP1705.1(TP) U101.D6
UART2_TXD_CPU: D1702.2 R1713.1 U1701.20
UART3_CTS: R1313.1 R1448.2 U101.B4
UART3_RTS: R1312.1 R1449.2 U101.D4
UART3_RXD: R1315.1 R1447.2 U101.A6
UART3_TXD: R1314.1 R1446.2 U101.B7
USB1_DN: TP1708.1(PIN1) U101.B14 U902.C5
USB1_DP: TP1707.1(PIN1) U101.A14 U902.C6
USB1_ID: TP501.1(TP) U101.C14
USB1_RXN: C920.1 U101.B12
USB1_RXP: C919.1 U101.A12
USB1_SS_SEL: D901.C U101.K19
USB1_TXN: C918.1 U101.B13
USB1_TXP: C917.1 U101.A13
USB1_VBUS: R934.2 R939.1 U101.D14 U909.1
USB2_DN: R926.1 R1417.1 U101.B10
USB2_DP: R927.1 R1418.1 U101.A10
USB2_ID: TP502.1(TP) U101.C9
USB2_RXN: U101.B8 U908.C3
USB2_RXP: U101.A8 U908.C4
USB2_TXN: C921.1 U101.B9
USB2_TXP: C922.1 U101.A9
USB2_VBUS: R921.2 R938.2 U101.D9
USB_DBG_DM: L1703.2 R1706.2 U1701.4
USB_DBG_DM_CN: D1701.2(CATHODE2) J1701.2 L1703.1 R1706.1
USB_DBG_DP: L1703.3 R1701.2 U1701.3
USB_DBG_DP_CN: D1701.1 J1701.3 L1703.4 R1701.1
USB_DN: J901.A7 J901.B7 U902.A5
USB_DP: J901.A6 J901.B6 U902.A6
USB_HOST_DN: J903.2 U908.A1
USB_HOST_DP: J903.3 U908.A2
USB_HOST_RXN: J903.5 U908.A3
USB_HOST_RXP: J903.6 U908.A4
USB_HOST_TXN: J903.8 U908.A5
USB_HOST_TXP: J903.9 U908.A6
USB_HOST_VBUS: C911.1 C912.1 J903.1(VBUS) L901.2 TVS907.2(A2)
USB_LD_NFLT: R920.2 U906.A4 U907.11
USB_VBUS: C903.1 C904.1 C926.1 D903.A D905.C D908.C F902.1 J901.A4 J901.A9 J901.B4(VBUS4) J901.B9 R903.1 TP1709.1(TP) U906.C2 U906.D1 U906.D2 U907.15
VCAM_1V5: R725.2
VCAM_2V8: C759.1 U702.41
VPCIE_3V3: C1410.1 C1411.1 C1412.1 C1413.1 C1414.1 C1415.1 C1416.1 C1417.1 C1418.1 C1419.1 C1433.1 C1434.1 C1437.1 C1438.1 C1440.1 C1442.1 J1401.2 J1401.4 J1401.72 J1401.74 Q1402.3 R1401.2 R1402.2 R1415.1 R1416.1 R1437.1 R1462.1 U1402.11(VCCB) U1403.11(VCCB)
VREF_1V2: C934.1 U910.3 U910.5
VREFDDR: C768.1 R215.2 U702.31
VSD_3V3: C1605.1 C1606.1 C1610.1 J1601.4 Q1602.3 R1606.2 R1608.1 TVS1602.2(A2)
VSYS: C701.1 C702.1 C703.1 C704.1 C771.1 C772.1 C773.1 C923.1 C924.1 C925.1 C929.1 C931.1 R708.1 R928.2 R929.2 R1801.2 U701.1 U706.2(VIN)
VSYS_IN: C935.1 D907.C Q901.1 Q901.2 Q901.3(S3) Q902.2(SOURCE) Q908.5 R913.1 R928.1 R929.1 R944.1
VUSB_REG_3V45: C1705.1 C1706.1 U1701.6
W_NDIS2: D1403.C J1401.54(W\_\D\I\S\A\B\L\E\2\) Q1405.3 R1437.2 R1463.2
WIFI_PCIE_CLKN: C1302.1 C1314.2 R1322.2 R1324.1 R1334.2 R1339.2 R1341.1
WIFI_PCIE_CLKP: C1301.1 C1313.2 R1323.2 R1325.1 R1333.2 R1338.2 R1340.1
WIFI_PCIE_NCLKREQ: D1303.C R1343.2 R1357.2 U1301.39
WL_NPERST: U101.C6 U1301.41
WL_REG_ON: R1320.1 U101.D7
XTALI_25M: C402.1 R411.1 U101.U25 Y401.1
XTALI_27M: C404.1 R412.1 U101.V25 Y402.1
XTALO_25M: C403.1 R411.2 U101.U24 Y401.3
XTALO_27M: C405.1 R412.2 U101.V24 Y402.3
N306938: C401.1 R401.2 R409.2 U101.W20
N97352674: R806.1 R822.2 SW801.8
N97352678: R804.1 R819.2 SW801.7
N97352680: R803.1 R821.2 SW801.6
N97352682: R802.1 R820.2 SW801.5(B4)
N98831920: D1604.C J1601.5 R1603.2
N99468749: R1615.2 U1602.1(VOUT)
N99468751: R1610.2 U1602.2
N99469397: D1601.4(CATHODE2) Q1605.3
N99469401: Q1605.1 R1614.2 R1616.1
N99469439: D1601.3 R1609.2
N99513763: J401.7 R406.1
N99515650: D402.C R404.1
N99789347: C1103.2 J1101.3 R1101.2 TVS1101.2(A2)
N99789365: C1102.1 J1101.2 R1102.2 TVS1103.2(A2)
N99799646: R1211.1 U1201.9
N99975371: C906.1 U901.12
N99975385: C908.1 U901.11
N99975403: C907.2 U902.C4
N99975417: C905.2 U902.C3
